# KiCad board meshtastic.kicad_pcb (continued)
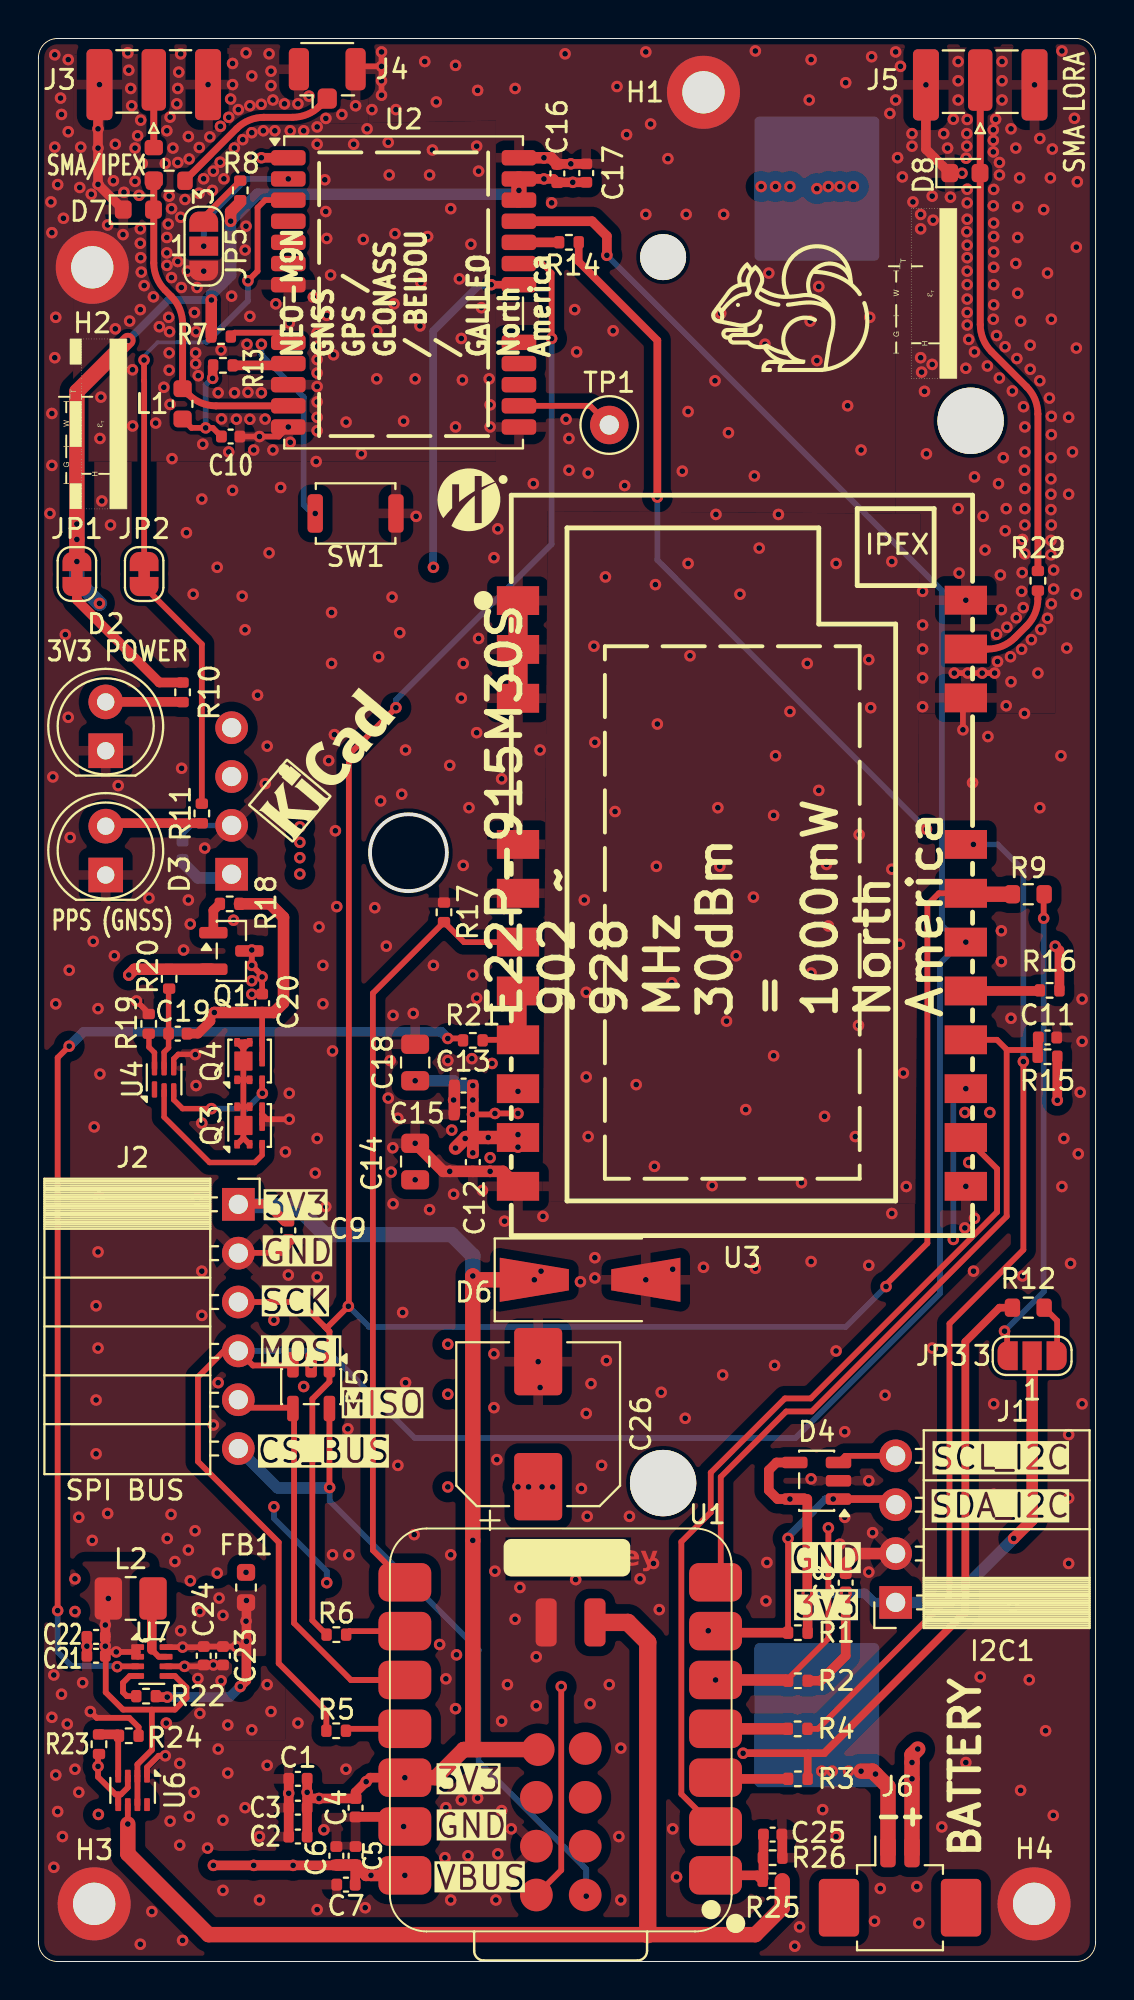
[diagram p0: board, top side]
## Routing (per net, layer and track width the routed paths; a pad name or vN(x,y) marks a point on that pad's centre or on a via; arc(x,y) is an arc through that point)
+3V3: length 244.2
  Top w0.3: 8.99,86.39 v1(9,86.4)
  Top w0.5: 40,19.15 v1(40,19.15) ; 40,19.15 40.02,19.13 R1.1 ; 40,19.15 40,24.05 v1(39.1,24.05) 38.45,24.05 38,24.5 38,25.55 38.4,25.95 D4.4 ; C1.1 v1(13.98,8.8) C3.1 C2.1 ; 25.2,92.7 v1(26.3,92.7) 26.8,92.7 C16.1 27.02,92.52 v1(27.8,92.52) C17.1 ; 13.98,8.48 v1(14.6,8.48) C4.2 16.5,8.8 v1(17.05,9.35) 17.26,9.56 v1(19.06,9.56) 19.18,9.56 ; v1(42,19.15) 42,15.9 40.7,14.6 R2.1 ; v1(53.01,44.78) R15.1 ; C9.1 12.8,38.5 11.9,39.4 10.42,39.4 J2.1
  Top w0.6: R7.1 8.99,86.39 ; v1(50.74,22) 51.7,22.96 JP3.2 ; v1(10,90.5) 10,90.99 10.5,91.49
  Top w0.8: v1(2,72.8) v1(2,73.95) 2,81.64 v1(4.66,84.29) ; 22.12,11.02 22.8,11.02 22.6,11.22 v1(22.6,21.9) v1(22.6,35.65) 22.8,35.45 v1(25.8,35.45) ; 22.12,11.02 20.66,9.56 19.18,9.56 ; 22.12,11.02 U1.22 ; U2.22 U2.23
  In1.Cu w0.5: v1(39.1,24.05) 36.95,21.9 v1(22.6,21.9)
  In1.Cu w0.6: 6.65,56.55 6.66,56.54 J7.1
  In1.Cu w0.8: v1(3.17,70.62) 6.6,67.2 6.6,43.17 J2.1
  In2.Cu w0.3: v1(25.8,35.45) 25.8,35.55 v1(26.15,35.9)
  In2.Cu w0.4: v1(26.15,35.9) 27.65,37.4 46.43,37.4 53.01,43.98 v1(53.01,44.78)
  Bottom w0.4: v1(9,86.4) 6.76,86.4 v1(4.66,84.29)
  Bottom w0.5: J1.1 43.46,18.68 42.99,19.15 v1(42,19.15) v1(40,19.15)
  Bottom w0.6: J1.1 47.41,18.68 v1(50.74,22) ; v1(25,92.1) 24.8,91.9 11.4,91.9 v1(10,90.5) 10,87.7 9,86.7 v1(9,86.4) ; J7.1 9.86,56.35 8.3,56.35 7.5,57.15 C27.1
  Bottom w0.8: v1(22.6,35.65) 22.6,36.7 21.5,37.8 14.9,37.8 13.4,39.3 10.47,39.3 J2.1 ; v1(3.17,70.62) 2,71.8 v1(2,74.75)
+5V: length 57.2
  Top w0.3: U3.9 v1(24.95,45.25) ; v1(24.95,43) U3.10 ; v1(24.95,44.1) v1(23.75,44.1) 23.7,44.05 v1(22.58,44.05)
  Top w0.6: v1(22.6,45.55) v1(22.6,44.8) v1(22.6,42.05) 22.6,44.05
  Top w0.7: v1(21.7,42.3) v1(22.2,42.8) 22.25,42.85 v1(23.4,42.85) U3.10
  In1.Cu w0.6: v1(21.3,32.1) v1(21.3,29.5) v1(21.3,24.68) ; v1(21.3,24.68) v1(24.95,24.68) v1(25.5,24.68) v1(26.2,24.68) v1(26.75,24.68) ; v1(21.3,24.68) 21.02,24.68 19.49,23.15 13.55,23.15 10.8,20.4 v1(10.8,20.24)
  In1.Cu w0.7: v1(19.6,40.65) 19.6,41.3 20.6,42.3 v1(21.7,42.3)
  In2.Cu w0.6: v1(24.95,42.35) 24.95,40.26 21.3,36.61 v1(21.3,32.1)
  In2.Cu w1: v1(24.95,43) v1(24.95,44.1) v1(24.95,45.25)
  Bottom w0.6: v1(22.6,45.55) 21.85,45.55 21.6,45.8 v1(19.6,45.8)
/GNSS/VCC_RF: length 2.9
  Top w0.3: 12.9,83 U2.9
  Top w0.5: R13.2 12.9,83
GND: length 75.1
  Top w0.25: 7.98,47.17 8.15,47.17 v1(8.16,47.16)
  Top w0.28: U4.4 7.04,46.94 7.27,47.17 8.15,47.17
  Top w0.3: v1(17.85,98.55) 16.65,98.55 J4.2 ; 3.1,97.53 v1(3.17,97.6) ; 21.64,44.07 C15.2 ; v1(48.1,64.05) 48.1,65.56 U3.20 ; v1(13,79.8) 12.5,79.3 v1(11.5,79.3) C10.2 ; 11.64,44.05 Q3.7 ; 11.64,44.05 Q3.4 ; 11.64,44.05 11.89,43.8 v1(13.05,43.8) ; C9.2 13,37.2 12.65,36.85 10.42,36.85 J2.2 ; 18.57,7.52 U1.13 v1(19,7.02) ; R19.2 5.74,49.31 v1(5.1,49.95) ; v1(17.85,97.05) v1(17.85,99.3) ; 38.7,6.5 38.6,6.6 ; U6.1 5.65,10.1 6.25,10.7 v1(6.6,10.7) ; U1.24 26.42,17.63 ; U7.6 v1(7.6,15.35) 8.53,15.35 C24.2 v1(9.1,15.42) C23.2 ; R26.1 38.7,5.41 ; 45.91,97.33 v1(46.18,97.59) ; 27.02,93.48 C16.2 ; v1(2.7,13) 3.03,12.67 4.73,12.67 5.21,12.19 R24.1 ; v1(47.65,67) v1(49.75,67)
  Top w0.5: D7.1 v1(3.1,92.41) v1(3.1,94.3) v1(3.1,95.3) 3.1,97.53 ; 27.02,93.48 v1(27.7,93.48) C17.2 ; C1.2 C2.2 ; C21.2 v1(2.52,16.4) C22.2 ; C4.1 18.57,7.52 ; 38.7,5.41 38.7,6.5 ; v1(46.18,97.59) 46.18,94.24 D8.1
  Top w0.6: J1.2 42.51,21.22 42,20.7 C8.2 ; U3.11 24.17,41.09 v1(23.5,41.09) C12.2 v1(21.4,41.09) 21.06,41.09 v1(19.6,42.55) ; C13.2 21.64,44.07 ; U2.24 v1(26.3,93.8) 26.66,93.8 C16.2
  Top w1: U3.3 U3.1
  In1.Cu w0.3: v1(53.25,40.3) 53.24,40.31
  In1.Cu w0.5: 53.24,40.31 v1(48.25,40.31)
  Bottom w0.3: C27.2 7.5,58.65 7.93,59.08 J7.2
  vias: v1(0.6,75.3) v1(0.65,91.5) v1(0.7,89.9) v1(0.7,80.5) v1(0.7,77.8) v1(0.7,12.7) v1(0.85,99.15) v1(0.85,94.35) v1(0.85,83.4) v1(0.75,61.6) v1(0.8,14.9) v1(0.8,4.9) v1(0.9,85.5) v1(0.9,49.8) v1(0.9,9.7) v1(1,92.4) v1(1,7.8) v1(1.15,96.9) v1(1.2,96.05) v1(1.2,13.9) v1(1.25,6.5) v1(1.3,90.65) v1(1.4,69) v1(1.55,98.9) v1(1.55,95.15) v1(1.55,64.7) v1(1.5,12.35) v1(1.6,51.55) v1(1.65,58.45) v1(1.9,19.9) v1(1.9,18.2) v1(1.9,10) v1(2.1,23.1) v1(2.1,8.8) v1(2.2,94.35) v1(2.15,92.25) v1(2.3,14.5) v1(2.75,91.9) v1(2.85,53.05) v1(2.8,21.9) v1(2.9,43.4) v1(3,34.1) v1(3,29.2) v1(3,26.4) v1(3.1,49.55) v1(3.1,36.9) v1(3.1,31.9) v1(3.25,81.35) v1(3.2,79.2) v1(3.2,46.15) v1(3.15,39.8) v1(3.3,75.95) v1(3.6,90.3) v1(3.6,23.3) v1(3.75,74.7) v1(3.9,92.6) v1(4,94.5) v1(4,84.9) v1(3.95,52.3) v1(4.15,61.15) v1(4.4,89.8) v1(4.45,92) v1(4.65,99.25) v1(4.7,98.35) v1(4.75,85.3) v1(4.8,97.4) v1(4.85,96.5) v1(4.89,82.77) v1(4.9,79.85) v1(5.03,94.3) v1(5.03,92.57) v1(5.16,94.94) v1(5.23,91.84) v1(5.32,95.75) v1(5.3,90.1) v1(5.3,89.35) v1(5.32,88.6) v1(5.35,87.85) v1(5.3,85.9) v1(5.3,0.9) v1(5.4,93.5) v1(5.5,87.15) v1(5.75,55.3) v1(5.9,2.6) v1(5.98,86.56) v1(6.1,80) v1(6.29,85.01) v1(6.53,81.86) v1(6.6,93.5) v1(6.68,95.2) v1(6.68,89.65) v1(6.68,88.85) v1(6.69,88.2) v1(6.7,22) v1(6.65,12.4) v1(6.85,95.91) v1(6.8,91.8) v1(6.75,90.35) v1(6.78,85.5) v1(6.82,84.75) v1(6.8,83.65) v1(6.8,82.75) v1(6.85,80.97) v1(6.85,7.3) v1(6.92,91.15) v1(6.92,87.57) v1(6.9,23.25) v1(7,94.3) v1(6.95,78.15) v1(7.1,20.8) v1(7.25,97.4) v1(7.2,96.6) v1(7.25,93.55) v1(7.25,88.4) v1(7.3,98.25) v1(7.35,10.3) v1(7.35,6.05) v1(7.4,99.2) v1(7.4,90.7) v1(7.43,87.05) v1(7.45,62.05) v1(7.55,52.6) v1(7.5,1.1) v1(7.63,91.62) v1(7.7,74.3) v1(7.8,94.9) v1(7.84,93.73) v1(7.75,87.9) v1(7.8,55.2) v1(7.8,21.4) v1(7.85,7.55) v1(7.9,53.95) v1(7.9,19.8) v1(8.05,71.1) v1(8.12,85.75) v1(8.1,8.8) v1(8.25,87.05) v1(8.2,84.75) v1(8.18,83.65) v1(8.18,83.08) v1(8.2,45.55) v1(8.25,39.65) v1(8.15,22.4) v1(8.31,82.46) v1(8.3,14.72) v1(8.37,94.33) v1(8.36,91.95) v1(8.4,12.9) v1(8.55,78.9) v1(8.5,76.05) v1(8.5,43.6) v1(8.5,35.9) v1(8.5,33.6) v1(8.59,92.7) v1(8.6,87.9) v1(8.65,57.9) v1(8.83,97.6) v1(8.8,5.9) v1(8.92,94.88) v1(9.05,92.1) v1(9.1,93.1) v1(9.1,27.9) v1(9.35,81.58) v1(9.3,72.5) v1(9.35,30.1) v1(9.3,20.2) v1(9.35,11.05) v1(9.47,95.43) v1(9.46,93.56) v1(9.5,83.8) v1(9.52,80.22) v1(9.5,14.6) v1(9.6,7.35) v1(9.6,3.7) v1(9.65,92.7) v1(9.85,12.3) v1(9.85,9.8) v1(9.9,95.9) v1(9.9,78.5) v1(10,96.85) v1(10.05,86.6) v1(10.1,98.7) v1(10.1,97.6) v1(10.1,76.5) v1(10.2,94.3) v1(10.2,81.58) v1(10.15,54.15) v1(10.3,80.2) v1(10.4,96.3) v1(10.63,94.74) v1(10.6,71) v1(10.8,99.25) v1(10.8,90.24) v1(10.75,89) v1(10.85,84.1) v1(10.75,69.25) v1(10.75,8) v1(10.9,81.6) v1(11,96.5) v1(11,85.55) v1(11,80.2) v1(11.1,98.05) v1(11.1,95.1) v1(11.1,12.05) v1(11.2,78.6) v1(11.4,65.85) v1(11.5,6.5) v1(11.5,3.2) v1(11.59,96.58) v1(11.6,81.58) v1(11.7,95.2) v1(11.79,80.21) v1(11.8,61.25) v1(11.9,63.2) v1(11.9,14.4) v1(11.9,10.2) v1(12,99.2) v1(12,73.25) v1(12.1,98.3) v1(12.1,97.55) v1(12.1,13) v1(12.2,96.8) v1(12.2,78.6) v1(12.3,95.2) v1(12.35,86.2) v1(12.6,76.65) v1(12.8,96.6) v1(12.85,42.1) v1(13.05,85.2) v1(13.05,45.15) v1(13,35.7) v1(13.02,8.75) v1(13.1,95.2) v1(13.1,79) v1(13.5,96.6) v1(13.5,12.4) v1(13.8,95.2) v1(13.8,29.9) v1(14.08,97) v1(14.19,31) v1(14.3,86.55) v1(14.4,41) v1(14.5,95.4) v1(14.5,94.5) v1(14.5,84.7) v1(14.5,84) v1(14.5,83.3) v1(14.5,82.6) v1(14.5,81.9) v1(14.5,81.1) v1(14.5,80.3) v1(14.5,79.6) v1(14.45,78) v1(14.5,42.8) v1(14.5,35.6) v1(14.5,2.7) v1(14.6,53.8) v1(14.8,51.8) v1(14.8,49.8) v1(14.85,6.85) v1(14.9,92.65) v1(14.95,95.84) v1(14.95,91) v1(15,89.6) v1(15,85.6) v1(14.95,39.25) v1(15.1,62.45) v1(15.2,87.7) v1(15.25,70.15) v1(15.25,67.5) v1(15.35,83.55) v1(15.3,47.35) v1(15.3,21.15) v1(15.4,63.8) v1(15.45,58.8) v1(15.52,54.86) v1(15.79,96.05) v1(16.01,80.05) v1(16,10) v1(16.1,27.7) v1(16.15,21.15) v1(16.4,94.5) v1(16.5,96.5) v1(16.8,78.4) v1(16.9,89.55) v1(17,2.8) v1(17.1,95.3) v1(17.35,96.3) v1(17.5,54.8) v1(17.6,84.8) v1(17.6,82.3) v1(17.7,67.85) v1(17.85,97.8) v1(17.8,60.35) v1(18.1,52.8) v1(18.2,94.6) v1(18.25,92.9) v1(18.2,44.9) v1(18.3,46.85) v1(18.35,41.05) v1(18.4,70.95) v1(18.44,42.32) v1(18.55,89.85) v1(18.5,86.2) v1(18.45,49.2) v1(18.45,39.4) v1(18.6,96.3) v1(18.7,43.85) v1(18.7,25.8) v1(18.8,69.1) v1(18.9,60.7) v1(19,80.1) v1(18.95,33.75) v1(19.1,63) v1(19.1,30.1) v1(19.5,49.3) v1(19.55,22.2) v1(19.6,82.3) v1(19.65,75.15) v1(19.85,85.05) v1(19.9,87.3) v1(20.1,98.8) v1(20.25,89.7) v1(20.35,92.9) v1(20.35,39.1) v1(20.5,94.2) v1(20.55,51.8) v1(20.7,96.7) v1(20.87,16.49) v1(21.2,14.7) v1(21.2,8) v1(21.15,5.4) v1(21.3,46.85) v1(21.4,62.2) v1(21.45,91.15) v1(21.51,43.24) v1(21.45,21.15) v1(21.45,3.2) v1(21.6,44.8) v1(21.6,39.9) v1(21.7,98.6) v1(21.7,79.8) v1(21.7,13.15) v1(21.75,15.95) v1(21.9,87.5) v1(22,84.4) v1(22,65.7) v1(22,8.4) v1(22.06,82.24) v1(22.1,67.5) v1(22.1,57) v1(22.35,5.5) v1(22.4,60) v1(22.5,89.3) v1(22.55,46.95) v1(22.6,51.3) v1(22.85,97.3) v1(22.8,94.4) v1(22.8,63.9) v1(22.8,50.1) v1(22.85,8.5) v1(22.9,93.1) v1(22.9,68.8) v1(23.05,86) v1(23.1,40.1) v1(23.45,82.3) v1(23.5,80.95) v1(23.5,79.8) v1(23.5,41.8) v1(23.6,46.7) v1(23.7,73) v1(23.7,31.6) v1(23.7,28.8) v1(23.85,26.1) v1(23.75,20.3) v1(23.8,3.2) v1(23.9,74.5) v1(23.9,5.6) v1(24.1,61.5) v1(24.1,12.5) v1(24.1,7.85) v1(24.25,38.5) v1(24.4,14.4) v1(24.6,6.9) v1(24.8,97.4) v1(24.8,17.8) v1(25.05,19.45) v1(25.75,76.85) v1(25.9,15.85) v1(25.9,13.3) v1(26,31.19) v1(26.1,63) v1(26.1,29.85) v1(26.25,38.75) v1(26.7,91.45) v1(27.4,99.2) v1(27.45,80.2) v1(27.6,79.2) v1(27.6,77.55) v1(27.9,85.9) v1(28,83.7) v1(27.95,19.86) v1(28.2,35.35) v1(28.25,24.6) v1(28.4,55.2) v1(28.5,50.4) v1(28.5,46) v1(28.5,28.5) v1(28.55,23.15) v1(28.6,77.4) v1(28.6,42.9) v1(28.7,13.4) v1(28.75,30.05) v1(28.9,68.4) v1(28.95,63.4) v1(28.95,36.6) v1(28.95,35.55) v1(29.3,25.8) v1(29.5,72) v1(29.55,31.25) v1(29.7,14.4) v1(29.9,84.8) v1(30,59.8) v1(30.1,97.5) v1(30.2,6.5) v1(30.3,11.1) v1(30.3,3.2) v1(30.5,76.75) v1(30.6,95) v1(30.75,23.15) v1(31.1,45.6) v1(31.3,19.9) v1(31.6,99.3) v1(31.6,90.85) v1(31.6,35.45) v1(31.85,95.55) v1(32.05,41.35) v1(32,20.7) v1(32.1,71.6) v1(32.2,64.35) v1(32.15,56.95) v1(32.3,18.3) v1(32.4,29.6) v1(32.75,93.75) v1(32.95,50.9) v1(33,36) v1(33,6.9) v1(33.2,4.4) v1(33.5,77.5) v1(33.7,90.85) v1(33.65,28.25) v1(33.8,80.6) v1(33.8,72.7) v1(33.9,67.9) v1(34.6,36.1) v1(35.05,40.35) v1(35.2,82.2) v1(35.25,75.25) v1(35.35,60) v1(35.5,85.7) v1(35.45,56.95) v1(35.6,30.5) v1(35.65,90.85) v1(35.8,48.9) v1(35.9,79.5) v1(36.3,52.3) v1(36.5,71.1) v1(36.8,44.3) v1(37.25,77.25) v1(37.2,55.35) v1(37.3,99.35) v1(37.3,36.05) v1(37.5,73.5) v1(37.8,84.1) v1(37.85,18.75) v1(37.9,20.75) v1(38,87.8) v1(38.25,59.6) v1(38.25,47.1) v1(38.35,62.7) v1(38.3,31) v1(38.5,75.25) v1(39.1,65) v1(39.35,0.8) v1(39.6,1.8) v1(39.7,40.5) v1(40,67.5) v1(40.1,96.8) v1(40.2,98.9) v1(40.15,85.3) v1(40.2,51.4) v1(40.2,36.4) v1(40.2,25.1) v1(40.5,83.25) v1(40.6,87.1) v1(40.6,60.9) v1(40.8,7.9) v1(40.9,43.95) v1(41,57.05) v1(41.1,53.85) v1(41.5,72.7) v1(41.5,31.75) v1(41.5,6.5) v1(41.7,21.7) v1(41.95,27.55) v1(41.95,23.1) v1(42,97.7) v1(42.1,80.9) v1(42.5,42.9) v1(42.7,58.6) v1(42.67,48.68) v1(42.8,78.6) v1(43.25,85.5) v1(43.2,67.7) v1(43.2,36.2) v1(43.2,25) v1(43.2,20.25) v1(43.35,99.05) v1(43.3,65.2) v1(43.4,22.3) v1(43.5,2.1) v1(43.8,3.8) v1(44.05,29.45) v1(44.3,96.1) v1(44.4,72.8) v1(44.4,56.8) v1(44.4,38.9) v1(44.6,99.3) v1(44.6,96.8) v1(44.7,93.8) v1(44.85,98.55) v1(44.8,52.9) v1(44.95,92.8) v1(45,46.2) v1(45.15,40.3) v1(45.45,95.05) v1(45.45,94.4) v1(45.5,91.5) v1(45.7,3.9) v1(45.8,2) v1(45.9,90.85) v1(45.9,90.1) v1(45.9,83.4) v1(45.95,82.65) v1(46,71.25) v1(46,69.5) v1(46,68.25) v1(46,66.75) v1(46,65.25) v1(46.1,81.65) v1(46.2,78.4) v1(46.5,91.8) v1(46.5,83.05) v1(46.5,31.9) v1(46.55,90.55) v1(47,7) v1(47.1,95.05) v1(47.3,94.3) v1(47.45,91.75) v1(47.6,95.8) v1(47.85,98.8) v1(47.85,97.8) v1(47.85,96.8) v1(47.85,75.55) v1(47.9,72.2) v1(48.05,92.99) v1(48.25,82.85) v1(48.25,70.79) v1(48.2,44.15) v1(48.2,38.15) v1(48.25,10.35) v1(48.32,95.79) v1(48.3,95.05) v1(48.3,94.4) v1(48.26,93.77) v1(48.32,92.16) v1(48.32,91.45) v1(48.32,90.6) v1(48.3,89.95) v1(48.32,89.25) v1(48.32,88.6) v1(48.32,87.9) v1(48.32,87.2) v1(48.32,86.45) v1(48.32,85.75) v1(48.32,85.1) v1(48.35,67) v1(48.4,84.35) v1(48.4,41.55) v1(48.6,61.3) v1(48.7,83.7) v1(48.7,77.2) v1(48.7,38.65) v1(48.65,35.9) v1(49,14.8) v1(49.1,67) v1(49.15,75.15) v1(49.25,73.4) v1(49.37,82.97) v1(49.4,63.7) v1(49.5,44.15) v1(49.68,95.25) v1(49.68,94.7) v1(49.68,94.1) v1(49.7,92.15) v1(49.68,91.3) v1(49.7,90.4) v1(49.7,89.7) v1(49.7,88.9) v1(49.7,88.1) v1(49.7,87.2) v1(49.7,86.15) v1(49.68,85.4) v1(49.7,29) v1(49.7,24.3) v1(49.8,95.8) v1(49.85,84.55) v1(49.85,69.02) v1(49.95,76.85) v1(49.9,67.6) v1(50,93.55) v1(50,92.9) v1(49.99,82.34) v1(50.13,98.8) v1(50.13,97.8) v1(50.13,96.8) v1(50.05,72.1) v1(50.1,70.3) v1(50.1,53.6) v1(50.1,52) v1(50.2,78.2) v1(50.29,83.97) v1(50.35,75.55) v1(50.3,74.4) v1(50.35,65.3) v1(50.39,69.39) v1(50.6,95.3) v1(50.57,67.85) v1(50.6,66.55) v1(50.6,49.05) v1(50.67,81.67) v1(50.7,18.5) v1(50.85,94.3) v1(50.85,88.3) v1(50.95,91.25) v1(50.95,89.65) v1(50.95,86.75) v1(50.91,83.36) v1(50.88,69.88) v1(51.05,92.75) v1(51.1,85.3) v1(51.1,8.9) v1(51.25,80.85) v1(51.2,73.95) v1(51.18,72.23) v1(51.15,71.25) v1(51.24,70.4) v1(51.15,68.24) v1(51.2,35.65) v1(51.32,79.8) v1(51.32,78.5) v1(51.3,77.55) v1(51.32,76.6) v1(51.32,75.55) v1(51.32,74.7) v1(51.32,73.2) v1(51.3,64.9) v1(51.6,84.05) v1(51.6,82.8) v1(51.55,14.65) v1(51.66,68.74) v1(51.82,97.59) v1(52,67) v1(52.1,94.8) v1(52.1,82.2) v1(52.1,60) v1(52.15,69.27) v1(52.3,91.1) v1(52.4,12) v1(52.5,87.8) v1(52.5,69.85) v1(52.6,81.3) v1(52.65,92.75) v1(52.7,85.4) v1(52.7,80.35) v1(52.7,79.4) v1(52.68,78.2) v1(52.68,77.1) v1(52.68,76.3) v1(52.68,75.5) v1(52.7,74.7) v1(52.68,73.9) v1(52.68,73.15) v1(52.7,70.6) v1(52.75,94.25) v1(52.82,72.36) v1(52.82,71.37) v1(52.8,7.6) v1(53.25,99.35) v1(53.2,62.7) v1(53.35,42.8) v1(53.5,68.3) v1(53.6,80.3) v1(53.6,76.3) v1(53.6,27.4) v1(53.6,24.1) v1(53.6,20.7) v1(53.7,36.3) v1(53.8,78.5) v1(53.9,95.85) v1(54,89.15) v1(54,83.9) v1(54,71.1) v1(54.05,92.55) v1(54.1,42) v1(54.2,45.2) v1(54.3,50.05) v1(54.3,47.85) v1(54.3,29)
VBUS: length 31.7
  Top w0.3: 4.15,8.69 4.01,8.69 3.1,9.6 v1(3.1,10.15) 3.1,10.74 R23.1 ; 4.15,8.69 U6.5 ; 4.15,8.69 4.29,8.69 4.65,9.05 U6.3 ; 3.15,10.83 3.1,10.78 ; 16.6,4.92 C5.1
  Top w0.5: 16.6,4.92 16.48,4.8 16.48,4.24 ; v1(9.1,5) v1(13.25,5) v1(11.2,5) 15.32,5
  Top w0.6: C6.1 C5.1 17.04,4.48 v1(19.06,4.48) v1(17.3,4.48)
  In2.Cu w0.5: v1(9.1,5) 4.24,5 3.12,6.12 3.12,10.13 v1(3.1,10.15)
  vias: v1(3.12,7.65)
+BATT: length 108.4
  Top w0.3: v1(4.65,7.15) U6.6
  Top w0.6: 9.02,51.6 5,51.6 v1(4.7,51.3)
  Top w0.8: R25.1 38.7,2.8 37.3,1.4 8.85,1.4 4.65,5.6 v1(4.65,7.15)
  Top w0.9: 31.7,1.4 31.7,16.6 30.67,17.63 U1.23
  In1.Cu w1: v1(4.65,7.15) 5.4,7.9 5.4,42.9 4.15,44.15 4.15,50.75 v1(4.7,51.3)
-BATT: length 86.8
  Top w0.3: Q4.7 Q4.4 C20.2
  Top w0.5: 7.82,48.25 8.3,48.25 8.95,48.9 8.95,49.15 v1(9.15,49.35)
  Top w0.6: v1(9.15,49.35) C20.2 12.25,49.35 12.75,49.85 12.75,54.3 12.05,55 R18.2
  Top w0.8: 44.2,5.6 44.2,9.1 v1(43.55,9.75) 43.4,9.9 v1(42.8,9.9)
  In2.Cu w0.8: v1(9.15,49.35) 7.1,47.3 7.1,26.4 14.15,19.35 14.15,19.35 14.65,18.85 14.65,18.85 23.6,9.9 v1(40.75,9.9) v1(41.3,9.9) v1(42.15,9.9) v1(42.8,9.9)
/BUSY_LORA: length 51.2
  Top w0.3: v1(27.2,14.3) 27.2,4.75 U1.16
  In2.Cu w0.3: v1(47.6,37.55) 47.6,34.7 v1(27.2,14.3)
  Bottom w0.3: v1(47.6,37.55) 47.6,44.8 48.19,45.39 v1(48.25,45.39)
/CS_BUS: length 36.6
  Top w0.3: v1(15.15,24.65) 15.14,24.64 15.14,28.8
  Bottom w0.3: v1(28.5,3.4) 28.5,4.8 22.9,10.4 22.9,16.2 15.15,23.95 15.15,24.62 15.18,24.65 v1(15.15,24.65)
  Bottom w0.6: J2.6 12.45,24.63 15.13,24.63 v1(15.15,24.65)
/CS_GPS: length 127.4
  Top w0.4: 40.02,10.82 R3.1 ; R12.2 50,34 48.23,32.23 48.23,18.18 40.89,10.84 36.67,10.84 v1(36.66,10.83) ; v1(23.55,87.2) U2.18
  In2.Cu w0.4: v1(36.66,10.83) 36.66,10.84 36.66,11.79 35.75,12.7 27.55,12.7 17,23.25 17,34.4 16.56,34.84 16.56,65.21 20.55,69.2 v1(20.55,72.5)
  Bottom w0.4: v1(23.55,87.2) 23.55,87.2 23.5,87.15 22.9,87.15 20.54,84.79 20.54,72.51 v1(20.55,72.5)
/CS_LORA: length 52.8
  Top w0.3: R4.1 40.55,12.1 47.4,18.95 47.4,33.17 51.24,37.01 v1(51.24,46.8)
  Bottom w0.3: v1(51.24,46.8) 51.24,56.76 49.91,58.09 v1(48.64,58.09)
/DIO1_LORA: length 44.9
  Top w0.3: U1.2 35.14,7.02 33.45,8.71 33.45,21.83 34.98,23.36 34.98,25.42 38.84,29.28 40.18,29.28 49.88,38.98 49.88,41.22 U3.13
/EN_LORA: length 40.8
  Top w0.3: U1.8 17.4,21.39 17.4,50.35 R17.1 22.14,53.01 U3.6
/GNSS/AFT_GPS_ANT: length 3.5
  Top w0.36: R28.1 J3.1
/GNSS/D_SEL: length 6.6
  Bottom w0.3: v1(13,92.7) 10.85,92.7 8.6,90.45 v1(8.6,89.2)
/GNSS/PPS: length 24.1
  Top w0.3: v1(10.9,87.4) 11.4,87.9 11.4,91.2 11.8,91.6 U2.3 ; JP2.1 5.5,82.2 5.49,82.21 v1(5.49,83.28)
  Bottom w0.2: 8.75,84.2 6.2,84.2 5.49,83.49 v1(5.49,83.28)
  Bottom w0.3: v1(10.9,87.4) 10.9,86.35 8.75,84.2
/GNSS/RESET: length 3.3
  Top w0.3: R7.2 10.21,84.7 12.5,84.7 U2.8
/LORA/LORA_ANT: length 26.6
  Top w0.36: J5.1 49,93 ; D8.2 49,92.99 49,85.13 arc(49.15,84.36) 49.59,83.71 51.41,81.89 arc(51.85,81.24) 52,80.47 R29.1
/LORA/PRE_LORA_ANT: length 5.6
  Top w0.36: U3.21 49.38,68.25 arc(50.15,68.4) 50.8,68.84 51.41,69.45 arc(51.85,70.1) 52,70.87 R29.2
/MISO: length 136.3
  Top w0.3: J2.5 10.81,28.8 13.23,28.8 13.3,28.73 13.3,17.6 16.25,14.64 ; 16.25,14.64 19.17,14.64 U1.10 16.25,14.64
  Top w0.4: v1(32.2,76.15) 32.2,84.3 28.11,88.39 28.11,89.39
  Top w0.5: R16.1 53.12,52.58 v1(52.9,52.8)
  In2.Cu w0.3: J2.5 16.12,34.94 16.12,71.17 18.55,73.6 24.4,73.6 26.95,76.15 v1(32.2,76.15) ; v1(46.2,58.88) 46.77,58.88 52.85,52.8 v1(52.9,52.8)
  Bottom w0.3: v1(46.2,58.88) 32.2,72.88 v1(32.2,76.15)
/MOSI: length 137
  Top w0.3: R5.2 14.98,13.03 12.5,15.51 12.5,21.8 8.3,26 8.3,30.4 9.66,31.75 J2.4 11.16,31 13.24,31
  Top w0.5: U2.21 28.8,90.5 29.58,89.72 v1(29.58,88.72)
  Bottom w0.3: v1(29.58,88.72) 47,71.3 47,53.9 47.89,53.01 v1(48.25,53.01) 48.01,53.01 46.9,51.9 46.9,34.74 39.39,27.23 19.57,27.23 15.05,31.75 J2.4
/NRST_LORA: length 39.3
  Top w0.3: 50.4,47.4 50.38,47.42 50.38,38.75 40.23,28.6 38.9,28.6 35.5,25.2 35.5,19.99 U1.7 ; 50.4,47.4 51.75,47.4 ; 50.4,47.4 49.87,47.93 U3.15
  Top w0.5: 52,47.95 52,47.15
/SCK: length 138.1
  Top w0.3: J2.3 13.61,34.3 15.14,32.76 ; v1(18.6,65.2) 16.15,62.75 16.15,34.1 v1(16.12,34.08) ; 15.14,32.76 15.14,30.14 14.25,29.25 14.25,17.74 R6.2 ; 15.14,32.76 14.88,33.03 ; v1(26.7,84.4) 26.7,87.8 26.2,88.3 U2.19 ; 47.95,55.55 46.85,55.55 46.25,54.95 46.25,37.35 44.1,35.2 v1(44.1,35.1) ; v1(16.12,34.08) 16.12,34.09 ; v1(16.12,34.08) 15.08,33.03
  Top w0.6: 48.4,55.7 U3.18
  Top w0.8: 50.53,55.5 48.6,55.5 48.4,55.7
  Bottom w0.3: v1(18.6,65.2) 18.6,65.6 26.7,73.7 v1(26.7,84.4) ; v1(16.12,34.08) 17.2,33 42,33 v1(44.1,35.1)
/SCL_I2C: length 80.1
  Top w0.3: 38.9,17.1 39,17.2 39,21.88 39,21.89 v1(39,22)
  Top w0.4: v1(41.35,24.05) 44.31,24.05 J1.3
  Top w0.5: U1.6 35.31,17.1 38.9,17.1
  In1.Cu w0.3: v1(34.85,17.2) 17.5,17.2 v1(15,19.7) ; v1(12.25,33.35) v1(12.25,23.65)
  In2.Cu w0.3: v1(12.25,33.35) 12.25,56.05 11.8,56.5 11.8,59.87 J7.3
  Bottom w0.3: v1(12.25,23.65) 12.25,23.05 15,20.3 v1(15,19.7)
  Bottom w0.4: v1(41.35,24.05) 40.95,24.05 39,22.1 v1(39,22)
/SDA_I2C: length 120.9
  Top w0.3: v1(41.1,22.55) 41.1,16.8 38.9,14.6 38.86,14.64 ; 44.6,26.29 41.97,26.29 D4.3
  Top w0.6: 38.86,14.64 35.23,14.64 v1(35.23,14.64)
  In2.Cu w0.3: 44.6,26.29 42.7,26.29 40.7,24.3 40.7,22.95 v1(41.1,22.55) ; 35.6,14.6 35.65,14.65 42.05,14.65 44.25,12.45 44.25,9.5 43.85,9.1 22.89,9.1 5.85,26.14 5.85,46.96 8.88,49.99 8.88,55.51 8.05,56.34 8.05,62.16 J7.4
/TR_CTRL: length 57.2
  Top w0.3: U7.3 4.11,15.35 v1(4.1,15.34) 4.12,15.34 ; R21.2 21.99,48 v1(21.3,48) ; v1(1,18.25) 1,47 v1(1.6,47.6)
  Bottom w0.3: v1(1,18.25) 1,16.1 1.73,15.37 4.05,15.37 4.08,15.34 v1(4.1,15.34)
  Bottom w0.5: v1(1.6,47.6) 2.35,48.35 20.95,48.35 v1(21.3,48)
GPS_ANT: length 17.1
  Top w0.36: U2.11 9.23,80.9 arc(8.47,81.05) 7.82,81.48 7.51,81.79 L1.1 7.5,85.17 arc(7.35,85.94) 6.91,86.59 6.59,86.91 arc(6.15,87.56) 6,88.33 R28.2
Net-(BT1-+): length 150.6
  Top w0.3: v1(11.1,52.6) v1(11.1,51.8) 11.64,51.26 v1(11.64,51.2) C20.1
  Top w0.8: v1(45.75,11.05) 45.45,10.75 v1(45.45,10.35) v1(45.45,9.5) 45.45,5.6
  In1.Cu w0.8: 16.75,38.75 22.2,33.3
  In1.Cu w2: v1(13.6,59) 13.6,55.1 v1(11.1,52.6) v1(11.1,51) v1(11.1,50.3) 11.1,49.17 16.75,43.52 16.75,38.75 21.65,33.85 41.95,33.85 47.15,28.65 47.15,12.45 45.35,10.65 45.35,9.9
  In2.Cu w2: v1(42.4,92.3) v1(41.7,92.3) v1(38.35,92.3) v1(37.6,92.3) 30.65,92.3 25,86.65 25,78.3 24.25,77.55 19.95,77.55 13.6,71.2 v1(13.6,59) v1(13.6,58.2) v1(13.6,57.4) v1(13.6,56.55)
  vias: v1(39.1,92.3) v1(40.5,92.19) v1(41.1,92.3)
Net-(C10-Pad1): length 5.8
  Top w0.3: L1.2 7.96,79.75 v1(8.7,79.75) 9.07,79.75 C10.1 ; 9.06,82.97 R13.1
  Top w0.5: v1(9.06,82.33) 9.06,82.97
  Bottom w0.3: v1(8.7,79.75) 8.7,82 8.93,82.23 8.97,82.23 v1(9.06,82.33)
Net-(D2-A): length 4
  Top w0.5: 7.49,65.5 D2.2
Net-(D3-A): length 5
  Top w0.5: D3.2 3.66,59.2 8.41,59.2
Net-(J4-In): length 9
  Top w0.36: R27.1 7.62,92.62 10.31,95.31 arc(10.96,95.75) 11.73,95.9 13.22,95.9 arc(13.99,96.05) 14.64,96.49 J4.1
Net-(JP1-B): length 8
  Top w0.5: R10.1 6.29,66.51 2,70.8 JP1.2
Net-(JP2-B): length 12.2
  Top w0.3: 8.5,60.51 8.5,68.5 JP2.2
Net-(JP3-A): length 2.8
  Top w0.3: R12.1 53,33.33 JP3.1
Net-(JP3-B): length 24.9
  Top w0.3: JP3.3 50.4,32.64 v1(50.26,32.78) ; v1(52.3,54.25) 52.3,55.47 R9.1
  Bottom w0.3: v1(52.3,54.25) 52.3,34.82 v1(50.26,32.78)
Net-(JP5-B): length 2.9
  Top w0.3: JP5.3 8.6,90.71 R8.2
Net-(Q1-G): length 1.6
  Top w0.5: Q1.1 9.1,54.66 R18.1
Net-(Q3-D-Pad1): length 9.4
  Top w0.3: Q4.2 Q4.1 ; 10.66,47.47 Q4.5 10.74,47.8 ; 10.66,47.47 Q4.6 10.74,47.8 ; 10.66,47.47 Q4.8 ; 10.74,47.8 10.66,47.72 Q4.8 ; Q4.8 10.66,42.83 ; Q3.2 10.66,42.83 ; 10.66,42.83 Q3.1 ; Q3.5 Q3.6
Net-(Q3-G): length 8.2
  Top w0.28: Q3.3 11.64,41.94 11.25,41.55 8.9,41.55 6.54,43.91 U4.2
Net-(Q4-G): length 6.3
  Top w0.28: U4.3 7.04,44.81 7.5,44.35 v1(9,44.35)
  Top w0.3: Q4.3 11.64,45.16 v1(11.65,45.15)
  Bottom w0.3: v1(11.65,45.15) 10.85,44.35 v1(9,44.35)
Net-(U1-GPIO0_A0_D0): length 5.1
  Top w0.3: 37.64,4.24 R25.2
  Top w0.5: 35.23,3.98 35.73,4.48 37.4,4.48 R25.2 ; 37.64,4.24 37.72,4.32 37.72,6.52
Net-(U1-GPIO2_A2_D2): length 3.8
  Top w0.3: 38.94,9.56 R3.2
  Top w0.5: 38.94,9.56 38.88,9.5 35.29,9.5 U1.3
Net-(U1-GPIO18_D10_MOSI): length 3.1
  Top w0.3: R5.1 16.1,12.1 U1.11
Net-(U1-GPIO19_D8_SCK): length 3.1
  Top w0.3: R6.1 16.19,17.18 U1.9
Net-(U1-GPIO21_D3): length 3.8
  Top w0.3: 38.89,12.1 38.99,12
  Top w0.6: U1.4 38.89,12.1
Net-(U2-LNA_EN): length 5.1
  Top w0.3: TP1.1 28.7,80.9 U2.14
Net-(U2-TXD/SPI_MISO): length 2
  Top w0.5: U2.20 27.04,89.4
Net-(U2-~{SAFEBOOT}): length 21.1
  Top w0.5: v1(11.6,93.8) U2.1
  In2.Cu w0.3: v1(11.6,84.1) v1(11.6,93.8)
  Bottom w0.3: v1(14.4,75.3) 14.25,75.3 13.8,75.75 13.8,81.36 11.6,83.55 11.6,84.1 v1(11.6,84.1)
Net-(U3-DIO2): length 4.4
  Top w0.3: U3.8 23.14,47.93 R21.1
  Top w0.9: U3.8 U3.7
Net-(U3-MISO): length 3.9
  Top w0.3: 52.02,50.47 52.1,50.55
  Top w0.5: U3.16 52.02,50.47
Net-(U4-BAT): length 4.2
  Top w0.28: U4.5 6.54,47.29 6.77,47.52 6.77,50.56 R20.2
Net-(U4-V-): length 1.9
  Top w0.28: 5.75,48.24 5.75,47.55 6.04,47.26 U4.6
Net-(U6-PR1): length 3.2
  Top w0.3: U6.4 4.15,11.7 R24.2 ; 3.19,11.81 3.15,11.85
  Top w0.5: 3.19,11.81 4.12,11.81 R24.2
Net-(U7-EN): length 19.1
  Top w0.3: 5.16,16.1 U7.1 ; 5.16,16.1 U7.2 ; 5.16,16.1 v1(4.05,16.1) 3.68,16.1 C21.1 ; 6.75,14.85 7.1,14.85 7.7,14.25 7.7,13.7 7.1,13.1 4.4,13.1 3.5,14 3.5,15.88 C21.1 ; U6.7 U6.2 5.15,10.25 5.9,11 5.9,13.1 ; C22.1 v1(3.48,16.4) C21.1
  Top w0.5: v1(3.64,18.88) 3.48,18.72 v1(3.48,17.5) C22.1 3.5,16.9
Net-(U7-PG): length 2.2
  Top w0.3: R22.1 4.6,13.8 4.4,14 4.4,14.5 4.75,14.85 U7.4
Net-(U7-SW): length 3.6
  Top w0.3: 5.9,16.21 6.26,15.85 U7.7 ; 5.9,18.82 L2.2
  Top w0.5: 5.9,16.21 5.9,18.82
Net-(U7-VOUT): length 13.5
  Top w0.3: U7.8 v1(7.5,16.35) 8.57,16.35 C24.1 C23.1 v1(10.3,16.38) 10.8,16.38 10.82,16.4
  Top w0.5: 10.8,18.79 v1(10.82,18.77) 10.82,17.73 10.8,17.71 v1(10.8,17.7) 10.8,17.69 10.82,17.67 v1(10.82,16.65) 10.82,14.62 v1(10.5,14.3) ; v1(6.7,13.75) 6.16,13.75 R22.2
  Bottom w0.5: v1(6.7,13.75) 9.95,13.75 v1(10.5,14.3)
  vias: v1(7.4,17.2) v1(8.4,18.2) v1(9.4,18.9) v1(9.6,18)

## Copper pours and planes (outline as drawn; the poured copper is in the pictures)
+3V3 on In2.Cu: 23.74,96.67 39.24,96.75 39.24,85.09 23.8,85.1
+3V3 on In2.Cu: 11.4,10.9 20.35,10.9 20.35,8.15 11.4,8.15
+5V on In2.Cu: 22.1,37.55 22.1,15.8 22,24.15 20.87,24.15 20.94,37.55
+5V on In2.Cu: 26.17,37.47 17.81,37.53 17.89,49.66 26.24,49.6
+5V on In2.Cu: -1.01,99.98 58.74,99.98 57.99,-3.02 -1.83,-2.54
GND on Top, Bottom, In1.Cu: -1,100.75 58.75,100.75 58,-2.25 -1.82,-1.77
GND on Top, Bottom, In1.Cu, In2.Cu: 44.6,64.9 52.9,64.9 52.9,99.62 44.6,99.47
GND on Top, Bottom, In1.Cu, In2.Cu: 17.2,94.61 17.13,99.5 9.82,99.5 9.91,94.5
GND on Top, Bottom, In1.Cu, In2.Cu: 9.9,78 23.8,78 23.8,95.73 9.9,95.47
GND on Top, Bottom, In1.Cu, In2.Cu: 2.2,99.2 9.9,99.2 9.9,78 1.8,78 1.8,99.2 2.2,99.1
GND on Top, Bottom, In1.Cu, In2.Cu: 26.23,39.55 45.63,39.4 45.88,75.28 26.5,75.42
GND on Top, In1.Cu: 5.97,11.48 12.85,11.48 12.85,15.68 5.92,15.68
VBUS on In1.Cu: 8.71,14.05 8.93,6.95 0.72,6.69 0.58,14.22
VBUS on In2.Cu: 20.5,3.1 8.55,3.1 8.55,5.55 20.5,5.55
Net-(U7-EN) on Top, In1.Cu: 1.4,20.8 1.4,15.58 5.8,15.58 5.8,20.8
Net-(U7-VOUT) on Top, In1.Cu: 6,22.28 6,15.88 13.3,15.88 13.3,22.38

## Text on the board
B.Mask: John's Diner - Nightmaraze | :3 | LimesKey
B.Silkscreen: GNSS | LORA | - | 18650 LITHIUM-ION ONLY | v0.0 - Ryan Di Lorenzo | MESHTASTIC DEVELOPMENT BOARD
Top: LimesKey
F.Mask: LimesKey
F.Silkscreen: PPS (GNSS) | SMA/IPEX | 3V3 POWER | SMA LORA | IPEX | - | + | CS_BUS | MOSI | SCK | GND | 3V3 | MISO | VBUS | SDA_I2C | SCL_I2C | BATTERY | NEO-M9N GNSS / GPS / GLONASS / BEIDOU / GALILEO / North America | E22P-915M30S / 902 ~ 928 MHz / 30dBm = 1000mW / North America
